# Altium PCB v0.1.PcbDoc
Units mil, origin at the board's own origin, x right, y up, seen from the top; angles counter-clockwise.
Board outline 664.86 x 767.72 mil, 4 copper layers (Top Layer, Gnd 1, Gnd 2, Bottom Layer), stack 23.756 mil thick; 31 components, 25 nets, 105 pads, 35 vias.
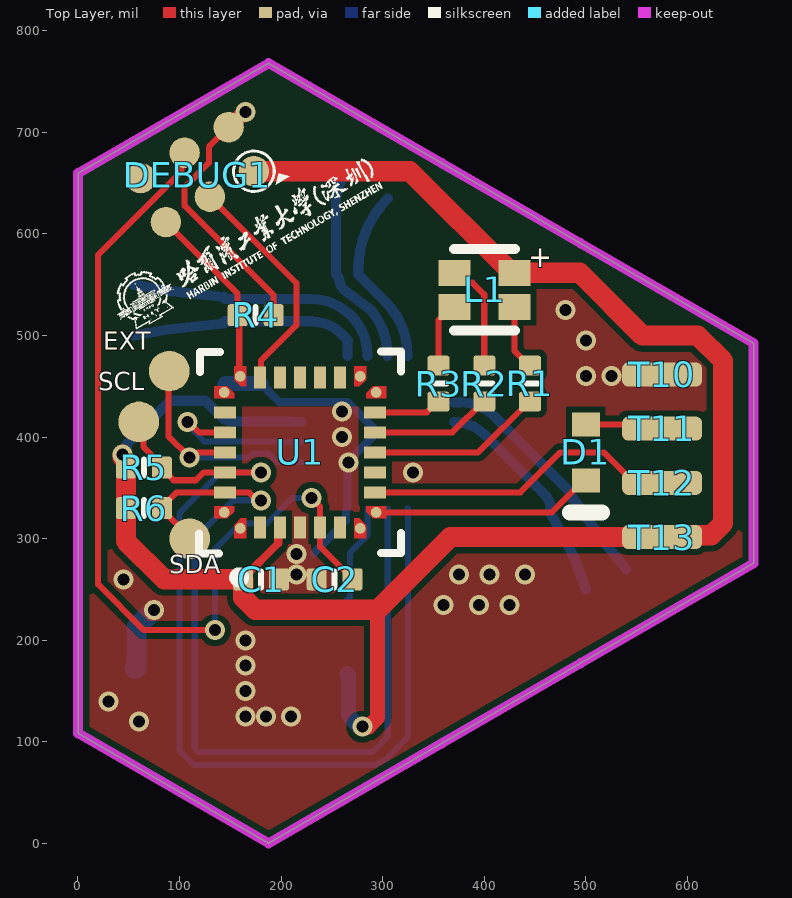
[diagram p0: Top Layer view]
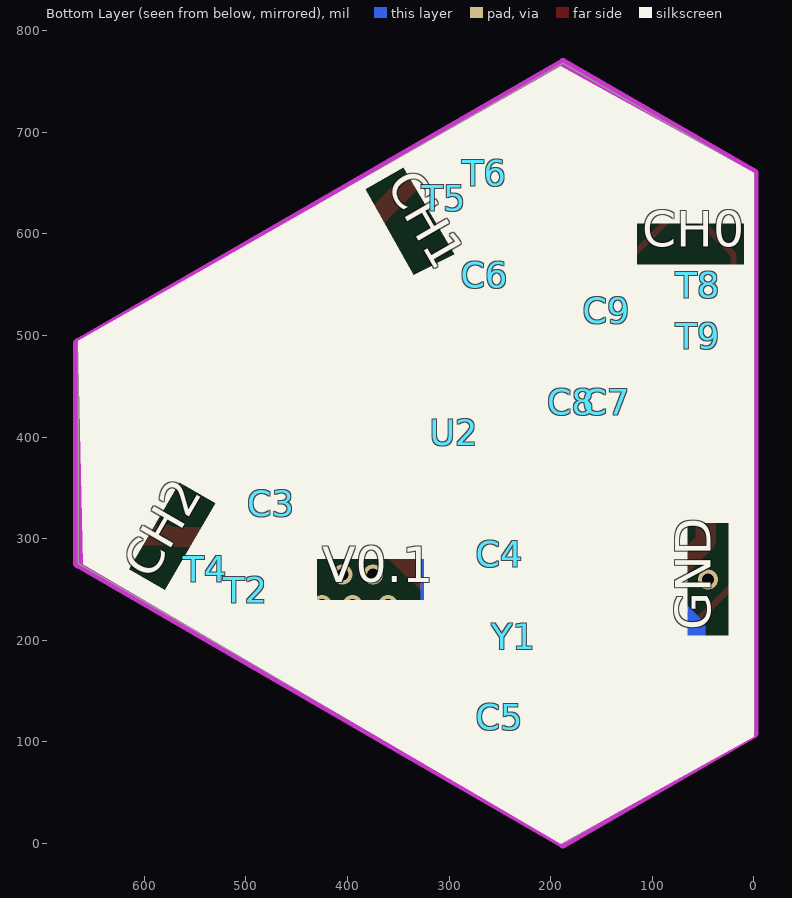
[diagram p1: Bottom Layer view, seen from below]
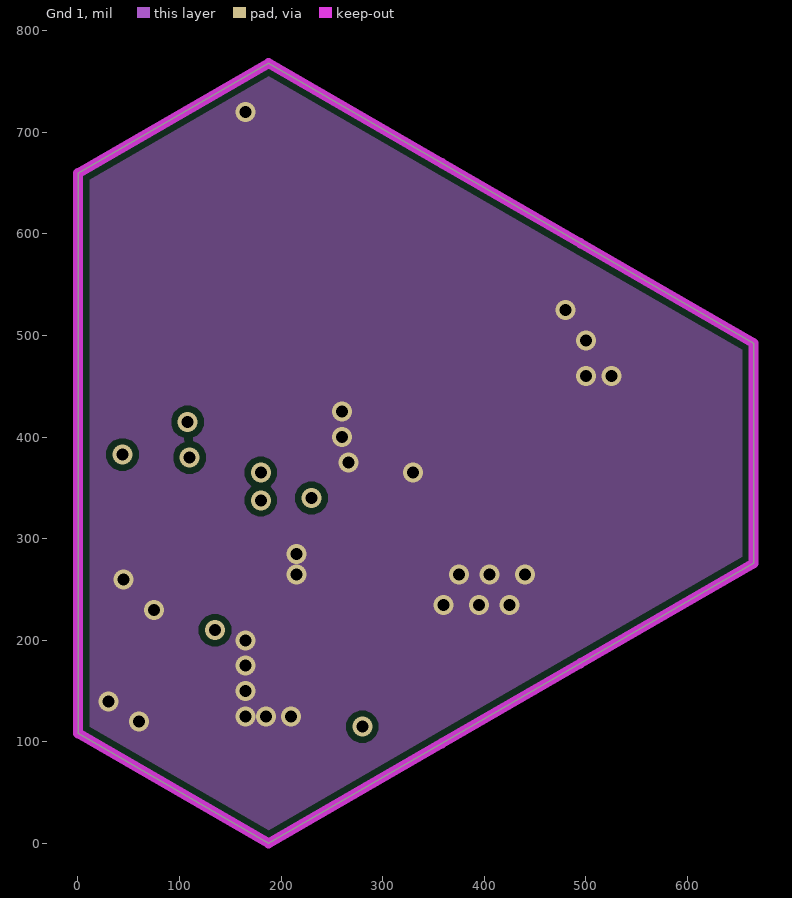
[diagram p2: Gnd 1]
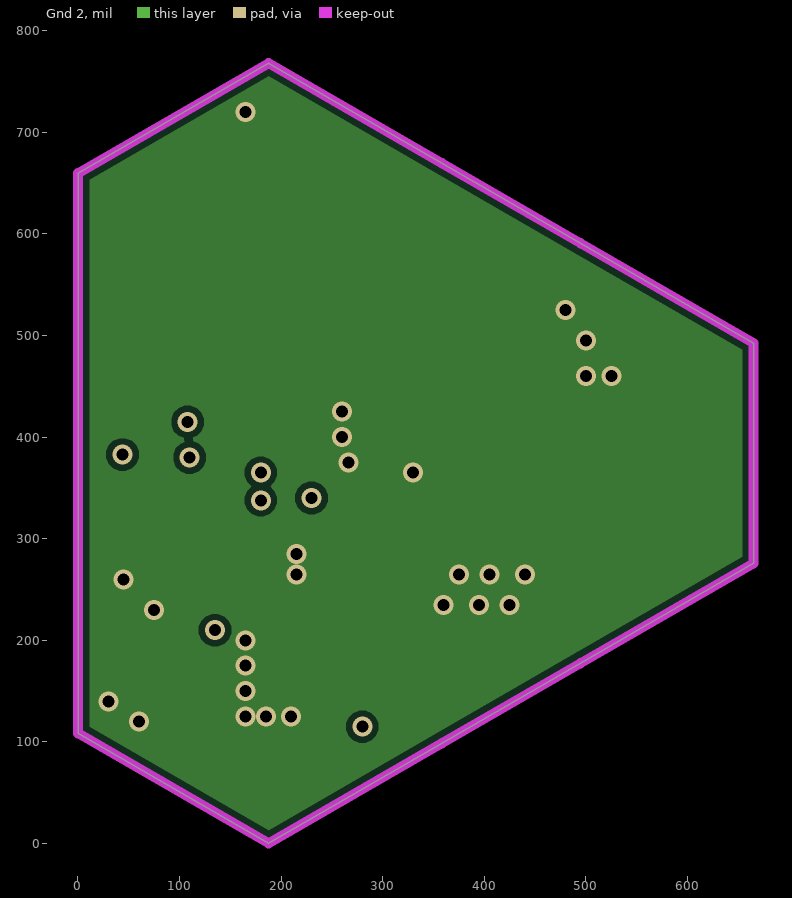
[diagram p3: Gnd 2]
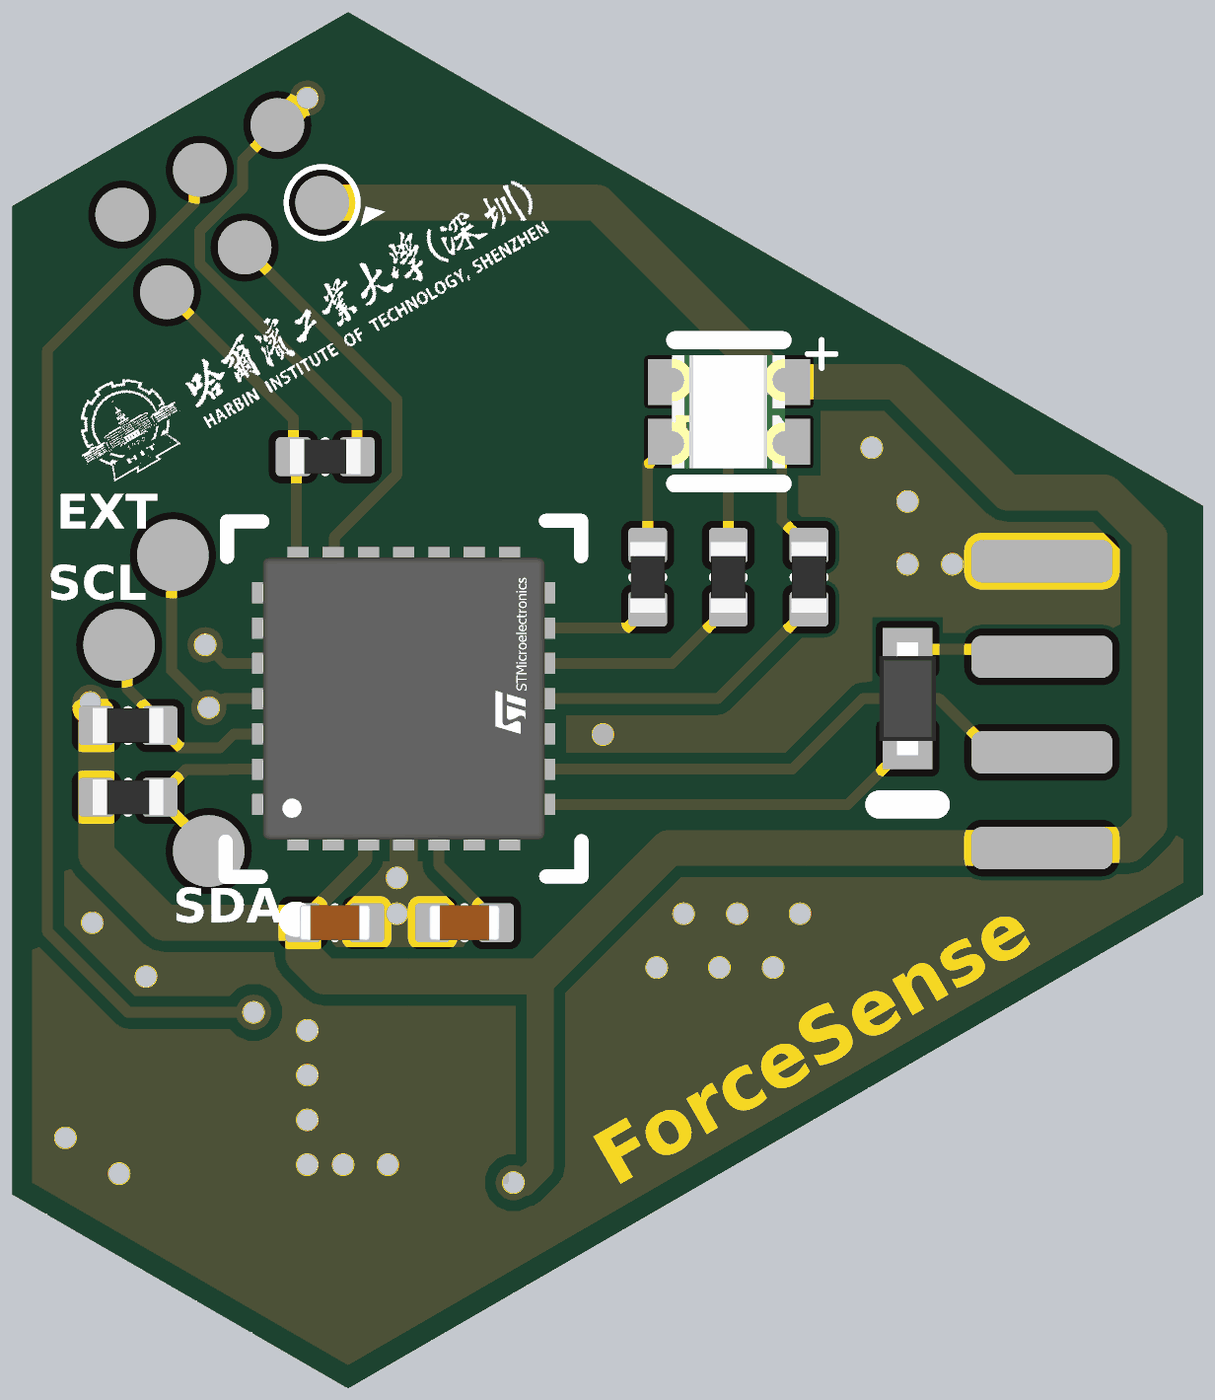
[diagram p4: 3D render of the assembled board from above, using the file's embedded part models]
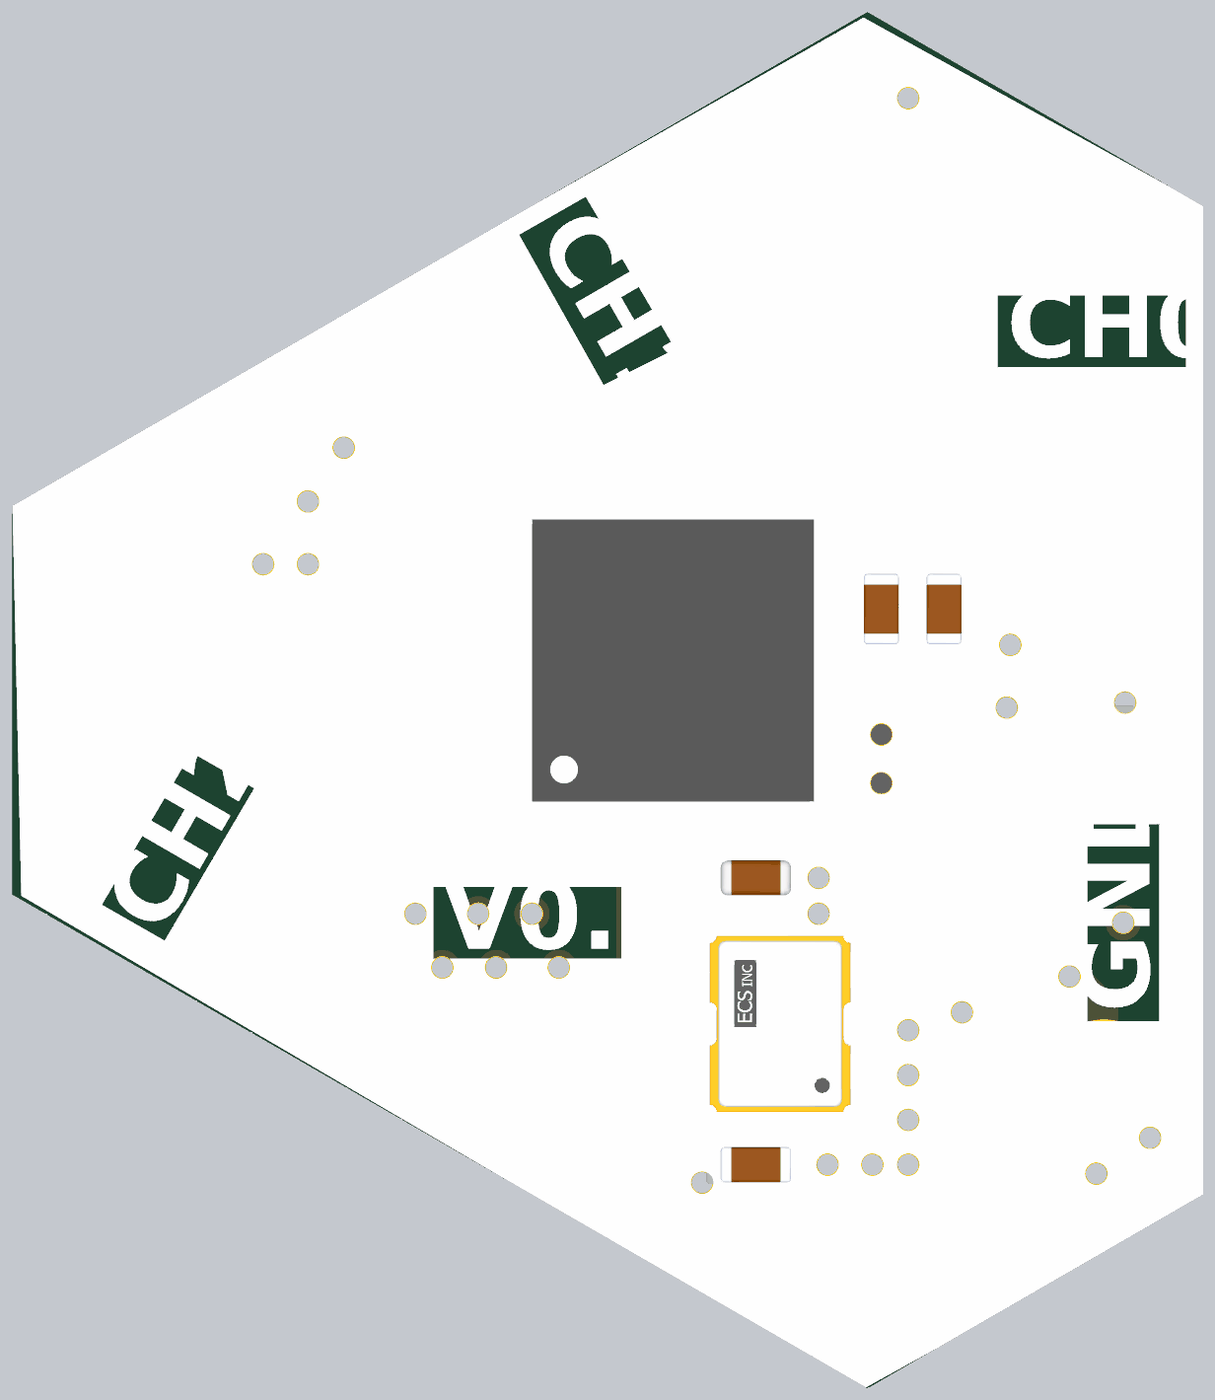
[diagram p5: 3D render of the assembled board from below, using the file's embedded part models]

## Layer stack, top to bottom
Top Solder: solder mask 0.4, Solder Resist, Dk 3.5
Top Layer: signal copper 1.4
Dielectric 2: prepreg 2.8, PP-006, Dk 4.1
Gnd 1: signal copper 1.378
Dielectric 1: dielectric 12.6, FR-4, Dk 4.8
Gnd 2: signal copper 1.378
Dielectric 3: prepreg 2.8, PP-006, Dk 4.1
Bottom Layer: signal copper 1.4
Bottom Solder: solder mask 0.4, Solder Resist, Dk 3.5

## Board outline
0.25,305.37 0.25,659.7 187.78,767.97 358.25,669.54 494.63,590.8 665.11,492.38 665.11,275.84 494.63,177.42 358.25,98.68 187.78,0.25 0.25,108.52

## Design rules (kind name [scope] priority, off if disabled: settings)
Clearance [All] p1: gap=6 ignorepadtopadclearanceinfootprint=FALSE
PlaneConnect [All] p1: planeconnectstyle=Direct reliefexpansion=20 reliefentries=4 reliefconductorwidth=10 reliefairgap=10
PolygonConnect [All] p1: connectstyle=Direct reliefconductorwidth=10 reliefentries=4 polygonreliefangle="90 Angle" airgapwidth=10
RoutingVias [All] p1: holewidth=11.81 width=19.68 viastyle="Through Hole" minholewidth=11.81 minwidth=19.68 maxholewidth=11.81 maxwidth=19.68
SolderMaskExpansion [All] p1: expansion=4 istentingtop=FALSE
SupplyNets "Schematic Supply Nets_1" [InNet('GND')] p1: voltage=0.000
SupplyNets "Schematic Supply Nets" [InNet('3V3')] p2: voltage=0.000
Width [All] p1: maxlimit=30 minlimit=4 preferedwidth=4
29 further rules are at their usual default settings.

## Components (designator, comment, footprint, x,y, rotation, side; value= is the part's Value field where it differs from the comment)
C1 "Capacitor 100nF +/-20% 10V 0402" CAPC0402(1005)60_L 180.43,260 r0 top value=100nF
C2 "Capacitor 100nF +/-20% 10V 0402" CAPC0402(1005)60_L 252.72,260 r0 top value=100nF
C3 "330pF" FP-C0201-AB-MFG 475,335 r30 bottom value="18 pF"
C4 "Capacitor 12pF +/-10% 50V 0402" CAPC0402(1005)33_L 250,285 r0 bottom value=12pF
C5 "Capacitor 100nF +/-20% 10V 0402" CAPC0402(1005)60_L 250,125 r0 bottom value=100nF
C6 "330pF" FP-C0201-AB-MFG 265,560 r180 bottom value="18 pF"
C7 "Capacitor 100nF +/-20% 10V 0402" CAPC0402(1005)60_L 145,435 r270 bottom value=100nF
C8 "Capacitor 100nF +/-20% 10V 0402" CAPC0402(1005)60_L 180,435 r270 bottom value=10nF
C9 "330pF" FP-C0201-AB-MFG 145,525 r270 bottom value="18 pF"
D1 "RB521S-30" DIOD-SOD523-2_V 500,385 r270 top
DEBUG1 "SWD" "DEBUG-2x3P-1.27mm Pitch" 173.3,661.7 r210 top
L1 "RGB-LED-1615" RGB-LED-1615-Footprint-1 400,545 r0 top
R1 "Resistor 100R +/-1 % 0402 63 mW" RESC0402(1005)_L 445,452.72 r270 top value=500R
R2 "Resistor 100R +/-1 % 0402 63 mW" RESC0402(1005)_L 400,452.72 r270 top value=500R
R3 "Resistor 100R +/-1 % 0402 63 mW" RESC0402(1005)_L 355,452.72 r270 top value=500R
R4 "Resistor 10K  +/-1 % 0402 63 mW" RESC0402(1005)_L 175,520 r180 top value=10k
R5 "Resistor 4K7  +/-1 % 0402 63 mW" RESC0402(1005)_L 65,370 r180 top value=4.7k
R6 "Resistor 4K7  +/-1 % 0402 63 mW" RESC0402(1005)_L 65,330 r180 top value=4.7k
T2 "TP" TESTPOINT-Rectangle-1.5x3 500,250 r210 bottom
T4 "TP" TESTPOINT-Rectangle-1.5x3 540,270 r210 bottom
T5 "TP" TESTPOINT-Rectangle-1.5x3 305,635 r150 bottom
T6 "TP" TESTPOINT-Rectangle-1.5x3 265,660 r150 bottom
T8 "TP" TESTPOINT-Rectangle-1.5x3 55,550 r270 bottom
T9 "TP" TESTPOINT-Rectangle-1.5x3 55,500 r270 bottom
T10 "TP" TESTPOINT-Rectangle-1.5x3 575,461.67 r90 top
T11 "TP" TESTPOINT-Rectangle-1.5x3 575,408.33 r90 top
T12 "TP" TESTPOINT-Rectangle-1.5x3 575,355 r90 top
T13 "TP" TESTPOINT-Rectangle-1.5x3 575,301.67 r90 top
U1 "STM32G031G8U6" FP-UFQFPN28-A0B0-MFG 218.82,385 r90 top
U2 "LDC1614RGHR" LDC1614RGHR-Footprint-1 295,405 r90 bottom
Y1 "OT252040MJBA4SL" FP-ECS-TXO-2520-MFG 236.46,203.58 r90 bottom

## Footprints (in the part's own frame and the unit in brackets; to place one, negate y for a bottom-side part, rotate by r counter-clockwise, add the part's x,y. Pads: shape width x height; smd on the part's side, far side on the other; paste and mask are expansions set on the pad)
CAPC0402(1005)33_L [mm] "Chip Capacitor, Body 1.0x0.5mm, Height 0.33mm, IPC High Density"
  rrect25% 0.5x0.55 smd: 1(-0.45,0) 2(0.45,0)
  silkscreen extent 0,-0.2 0,0.2, body extent -0.5,-0.25 0.5,0.25, height 0.55
CAPC0402(1005)60_L [mm] "Chip Capacitor, Body 1.0x0.5mm, Height 0.6mm, IPC High Density"
  rrect25% 0.5x0.55 smd: 1(-0.45,0) 2(0.45,0)
  silkscreen extent 0,-0.2 0,0.2, body extent -0.5,-0.25 0.5,0.25, height 0.6
"DEBUG-2x3P-1.27mm Pitch" [mil]
  round 30 smd: 1(0,0) 2(50,0) 3(100,0) 4(0,-50) 5(50,-50) 6(100,-50)
  silkscreen extent -28,-20 20,22
DIOD-SOD523-2_V [mm] "SOD523, 2-Leads, Body 1.2x0.8mm"
  rect 0.6x0.7 smd: 1(-0.7,0) 2(0.7,0)
  silkscreen extent 1.5,-0.4 1.5,0.4, body extent -0.8,-0.4 0.8,0.4, height 0.65
FP-C0201-AB-MFG [mm]
  rect 0.36x0.32 smd paste+0 mask+0: 1(-0.28,0) 2(0.28,0)
  silkscreen extent -0.3,-0.55 0.3,0.55
FP-ECS-TXO-2520-MFG [mm]
  rect 0.9x0.8 smd paste+0 mask+0: 1(-0.925,-0.725) 2(0.925,-0.725) 3(0.925,0.725) 4(-0.925,0.725)
  silkscreen extent -1.05,-1.8 0.1,1.05, body extent -1.25,-1 1.25,1, height 1
FP-UFQFPN28-A0B0-MFG [mm]
  round 0.27 smd paste+0 mask+0: 1(-1.9,1.5) 7(-1.9,-1.5) 8(-1.5,-1.9) 14(1.5,-1.9) 15(1.9,-1.5) 21(1.9,1.5) 22(1.5,1.9) 28(-1.5,1.9)
  rect 0.55x0.3 smd paste+0 mask+0: 2(-1.875,1) 3(-1.875,0.5) 4(-1.875,0) 5(-1.875,-0.5) 6(-1.875,-1) 16(1.875,-1) 17(1.875,-0.5) 18(1.875,0) 19(1.875,0.5) 20(1.875,1)
  rect 0.3x0.55 smd paste+0 mask+0: 9(-1,-1.875) 10(-0.5,-1.875) 11(0,-1.875) 12(0.5,-1.875) 13(1,-1.875) 23(1,1.875) 24(0.5,1.875) 25(0,1.875) 26(-0.5,1.875) 27(-1,1.875)
  Top Layer region: -1.35,1.65 -1.48,1.65 -1.65,1.82 -1.65,2.15 -1.35,2.15 -1.35,1.65
  Top Layer region: 1.35,1.65 1.48,1.65 1.65,1.82 1.65,2.15 1.35,2.15 1.35,1.65
  Top Layer region: 1.35,-1.65 1.48,-1.65 1.65,-1.82 1.65,-2.15 1.35,-2.15 1.35,-1.65
  Top Layer region: -1.35,-1.65 -1.48,-1.65 -1.65,-1.82 -1.65,-2.15 -1.35,-2.15 -1.35,-1.65
  Top Layer region: -1.65,1.35 -1.65,1.48 -1.82,1.65 -2.15,1.65 -2.15,1.35 -1.65,1.35
  Top Layer region: 1.65,1.35 1.65,1.48 1.82,1.65 2.15,1.65 2.15,1.35 1.65,1.35
  Top Layer region: 1.65,-1.35 1.65,-1.48 1.82,-1.65 2.15,-1.65 2.15,-1.35 1.65,-1.35
  Top Layer region: -1.65,-1.35 -1.65,-1.48 -1.82,-1.65 -2.15,-1.65 -2.15,-1.35 -1.65,-1.35
  silkscreen extent -3.25,-2.52 2.52,2.52, body extent -2.25,-2.25 2.25,2.25, height 0.25
LDC1614RGHR-Footprint-1 [mm]
  rect 0.665x0.28 smd paste+0 mask+0.051: 1(-1.908,0.75) 2(-1.908,0.25) 3(-1.908,-0.25) 4(-1.908,-0.75) 9(1.908,-0.75) 10(1.908,-0.25) 11(1.908,0.25) 12(1.908,0.75)
  rect 0.28x0.665 smd paste+0 mask+0.051: 5(-0.75,-1.908) 6(-0.25,-1.908) 7(0.25,-1.908) 8(0.75,-1.908) 13(0.75,1.908) 14(0.25,1.908) 15(-0.25,1.908) 16(-0.75,1.908)
  rect 2.45x2.45 smd paste+0 mask+0.051: 17(0,0)
  silkscreen extent -2.47,-2.08 2.08,2.08, body extent -1.97,-1.97 2.03,2.03, height 0.8
RESC0402(1005)_L [mm] "Chip Resistor, Body 1.0x0.5mm, IPC High Density"
  rrect25% 0.5x0.55 smd: 1(-0.45,0) 2(0.45,0)
  silkscreen extent 0,-0.2 0,0.2, body extent -0.5,-0.25 0.5,0.25, height 0.3
RGB-LED-1615-Footprint-1 [mm]
  rect 0.8x0.65 smd paste+0 mask+0.05: 1(0.757,-0.425) 2(0.757,0.425) 3(-0.743,0.425) 4(-0.743,-0.425)
  silkscreen extent -0.75,-1.02 0.77,1.02, body extent -0.8,-0.8 0.8,0.8, height 0.35
TESTPOINT-Rectangle-1.5x3 [mm]
  rrect50% 0.6x2 smd: 1(0,0)

## Part data
C1 C2 C5 C7 C8: library part CMP-001-00061-3, "Chip Capacitor, 100nF +/-20%, 10V, 0402, Thickness 0.6 mm", Case/Package=0402, Max Operating Temperature=85°C, Min Operating Temperature=-55°C, Tolerance=20%, Voltage Rating=10V, Mounting Technology=SMT, Pins=2
C3 C6 C9: library part CMP-03020-034506-1, "CAP CER 18PF 25V 5% NP0 0201", Capacitance="18 pF", Manufacturer=KEMET, Manufacturer Part Number=C0201C180J3GACTU, Package=C0201-AB, Temperature="-55°C to +125°C", Temperature Characteristic=C0G, Temperature Coefficient=30ppm/°C, Temperature Range High=+125°C, Temperature Range Low=-55°C, Tolerance=0.05, Voltage Rating="25 V", Automotive=No, Category=Cap, ComponentLink2Description=Datasheet, ComponentLink2URL=https://content.kemet.com/datasheets/KEM_C1003_C0G_SMD.pdf, Device Class L1="Passive Components", Device Class L2=Capacitors, Device Class L3="Ceramic Capacitors", Digikey Description="CAP CER 18PF 25V 5% NP0 0201", Height=0.33mm, Ipc Land Pattern Name=CAPC6030X30, Lead Free=Yes, Material=Ceramic, Mouser Description="Multilayer Ceramic Capacitors MLCC - SMD/SMT 25volts 18pF C0G 5%", Octopart=https://octopart.com/c0201c180j3gactu-kemet-17105352, RoHS=TRUE, Standoff Height=0mm
C4: library part CMP-001-00072-4, "Chip Capacitor, 12pF +/-10%, 50V, 0402, Thickness 0.33 mm", Case/Package=0402, Max Operating Temperature=85°C, Min Operating Temperature=-55°C, Tolerance=20%, Voltage Rating=50V, Mounting Technology=SMT, Pins=2
D1: library part CMP-2000-05518-2, "Surface Mount Fast Switching Diode, -65 to 150 degC, 2-Pin SOD523, RoHS, Tape and Reel", Forward Current=250mA, Manufacturer="Diodes Inc", Package Description="2-Pin Small Outline Diode, Body 1.2 x 0.8 mm", Package Reference=SOD523-2, Package Type=SOD-523, PartNumber=1N4148WT, Datasheet URL=http://www.diodes.com/_files/datasheets/ds30396.pdf, Datasheet Version="Rev. 16-2, 11/2015", Diode Configuration=Single, Manufacturer URL=http://www.diodes.com/, Mounting Technology=SurfaceMount, Mounting Type=SurfaceMount, Number of Elements per Chip=1, Package URL=http://www.diodes.com/_files/packages/SOD523.pdf, Pin Count=2
DEBUG1: library part DEBUG-PogoPin-2x6P, "弹簧探针烧录/调试触点"
L1: library part CMP-007-00036-2, "RGB LED"
R1 R2 R3: library part CMP-009-00167-3, "Chip Resistor, 100 Ohms, +/-1 %, 63 mW, -55 to 155 degC, 0402", Case/Package=0402, Max Operating Temperature=155°C, Min Operating Temperature=-55°C, Power=63mW, Tolerance=1%, Pins=2
R4: library part CMP-009-00149-3, "Chip Resistor, 10 kOhms, +/-1 %, 63 mW, -55 to 125 degC, 0402", Case/Package=0402, Max Operating Temperature=155°C, Min Operating Temperature=-55°C, Power=63mW, Tolerance=1%, Pins=2
R5 R6: library part CMP-009-00158-3, "Chip Resistor, 4,7 kOhms, +/-1 %, 63 mW, -55 to 155 degC, 0402", Case/Package=0402, Max Operating Temperature=155°C, Min Operating Temperature=-55°C, Power=63mW, Tolerance=1%, Pins=2
T2 T4 T5 T6 T8 T9 T10 T11 T12 T13: library part TestPoint, "TestPoint"
U1: library part CMP-031-00013-1, "MCU 32-Bit ARM Cortex-M0+ RISC 64KB Flash 1.7V to 3.6V 28-Pin UFQFPN Tray", Case/Package=UFQFPN, Max Operating Temperature=85°C, Min Operating Temperature=-40°C, Mounting Technology="Surface Mount", Pins=28
U2: library part CMP-031-00006-3, "4-Ch, 28-bit, high-resolution Inductance to digital converter 16-WQFN -40 to 125", Max Operating Temperature=125°C, Min Operating Temperature=-40°C, Mounting Technology="Surface Mount", Pins=16, RoHS Compliant=Yes
Y1: library part CMP-40224-000034-1, "XTAL OSC TCXO 25.0000MHZ HCMOS", RoHS Compliant=Yes

## Free pads (board coordinates)
  round 60 smd far side: 1(55.74,171.99)
  round 40 smd: 1(60,415) 1(90,465) 1(110,300)

## Via types
v1: diameter 19.68, hole 11.81, Top Layer to Bottom Layer, tented both sides, 35 vias

## Nets (pads, with @x,y where several pads share a name; then routed paths per layer and width w, separated by ;. In a path a pad name is that pad's centre, name@x,y a point inside that pad or via, vN(x,y) a via of type N, cw(c..) or ccw(c..) an arc to the next point about the centre after c; other vN are vias at no path point)
3V3: C1.1 C5.2 C7.2 C8.2 DEBUG1.1 L1.2 R5.2 R6.2 T13.1 U1.3 U2.7 Y1.4 | length 1908
  Top Layer w8: C1.1 162.72,260.98 197.23,295.5 197.23,309.28 U1.3
  Top Layer w15: v1(280,115) 286.21,115 295,123.79 295,230
  Top Layer w20: v1(43.9,382.8) 43.9,380.19 45.09,379 47.28,376.8 47.28,297.72 85,260 C1.1 162.72,241.72 174.43,230 295,230 366.67,301.67 T13.1 576.81,303.48 623.28,303.48 635,315.19 635,475 610.13,499.87 609.91,500 555.74,500 494.01,561.73 L1.2 426.86,561.73 326.89,661.7 DEBUG1.1
  Bottom Layer w10: v1(43.9,382.8) 43.9,385.42 48.42,389.94 48.42,393.42 90.84,435.84 125.46,435.84 144.02,417.28 C7.2 150.83,415.35 211.81,415.35 U2.7
  Bottom Layer w15: Y1.4 266.36,165.81 266.36,126.36 C5.2 267.72,124.02 275.84,115.9 279.1,115.9 v1(280,115)
CH0-A: C9.2 T9.1 U2.9 | length 233.1
  Bottom Layer w10: T9.1 88.46,505.91 143.7,511.89 C9.2 230,513.98 cw(c230,472.62) 254.27,506.11 cw(c230,472.62) 259.24,501.86 266.03,495.08 ; 265,494.05 cw(c253.68,490.75) 265.47,490.75 U2.9
CH0-B: C9.1 T8.1 U2.10 | length 264
  Bottom Layer w10: T8.1 88.46,544.09 143.7,538.11 C9.1 229.24,536.02 cw(c229.24,480.1) 257.57,528.32 cw(c252.48,519.71) 258.58,527.63 267.42,520.88 cw(c261.37,512.91) 268.28,520.13 cw(c229.24,480.1) 284.65,487.65 U2.10
CH1-A: C6.2 T6.1 U2.11 | length 202.5
  Bottom Layer w10: T6.1 ccw(c291.61,633.39) 253.98,633.39 C6.2 256.06,558.7 258.36,550.67 ccw(c268.94,553.7) 262.26,544.96 287.98,525.29 cw(c281.9,517.35) 289.75,523.55 cw(c234.74,480.1) 304.37,488.19 U2.11
CH1-B: C6.1 T5.1 U2.12 | length 179.5
  Bottom Layer w10: T5.1 ccw(c374.96,565.04) 276.02,565.04 C6.1 302.33,533.69 cw(c248.74,480.1) U2.12
CH2-A: C3.2 T4.1 U2.13 | length 244.5
  Bottom Layer w10: U2.13@370.15,434.08 cw(c375.79,385.56) 410.32,420.12 480.75,349.69 cw(c471.56,340.51) 484.47,341.96 C3.2 487,340.43 518.15,296.03 T4.1
CH2-B: C3.1 T2.1 U2.14 | length 219
  Bottom Layer w10: U2.14 cw(c370.1,371.61) 400.64,402.21 459.86,342.99 cw(c446.36,329.49) C3.1@465.4,330.96 ; C3.1 464.3,327.32 488.38,281.93 T2.1
EXTI_INTB/PB5: pad.1@90,465 U1.25 U2.5 | length 246
  Top Layer w6: pad.1@90,465 89.18,464.18 89.18,400.82 v1(110,380) 113.7,380 118.7,385 U1.25
  Bottom Layer w6: v1(110,380) 168.35,380 172.2,383.84 187.8,383.84 196.18,375.47 U2.5
GND: C1.2 C2.1 C4.1 C5.1 C7.1 C8.1 DEBUG1.4 pad.1@55.74,171.99 R4.1 T10.1 U1.4 U2.4 U2.8 U2.17 Y1.2 | length 636.7
  Top Layer w6: DEBUG1.4 129,685.7 129,670.06 105,646.06 105,627.54 192.72,539.83 R4.1
  Top Layer w15: DEBUG1.4 149.15,705 164.15,720 v1(165,720)
  Bottom Layer w8: C8.1@186.83,446.87 186.83,445.89 198.19,434.53 U2.8 265.47,434.53 U2.17 265.47,375.47 U2.4 263.96,328.39 263.96,317.66 252.13,305.83 232.28,285.98 C4.1 ; U2.17@265.81,375.81 v1(266.47,375.16)
  Bottom Layer w15: C7.1 C8.1
  Bottom Layer w20: pad.1@55.74,171.99 57.65,172.65 57.65,212.65 v1(75,230)
  other v1: 60,120 165,125 185,125 210,125 30,140 165,150 165,175 165,200 360,235 395,235 425,235 45,260 215,265 375,265 405,265 440,265 215,285 330,365 260,400 260,425 500,460 525,460 500,495 480,525
LDC_SCL/PB6: pad.1@60,415 R5.1 U1.26 U2.1 | length 957.3
  Top Layer w6: pad.1@60,415 64.51,410.49 64.51,390.49 75.87,379.13 75.87,376.84 R5.1 82.72,369.02 94.2,357.53 116.21,357.53 123.99,365.31 U1.26 145.16,365.16 179.84,365.16 v1(180,365)
  Bottom Layer w6: v1(180,365) 140,365 100,325 100,91.54 114.06,77.49 293.55,77.49 302.86,82.86 325,105 325,329.43 U2.1
LDC_SD/PB4: U1.24 U2.6 | length 163.1
  Top Layer w6: v1(108.02,415) 108.7,415 119.02,404.69 U1.24
  Bottom Layer w6: v1(108.02,415) 108.02,411.98 124.16,395.84 219.22,395.84 U2.6
LDC_SDA/PB7: pad.1@110,300 R6.1 U1.27 U2.2 | length 858.7
  Top Layer w6: pad.1@110,300 110,301.73 82.72,329.02 R6.1 82.72,330.98 97.26,345.53 121.18,345.53 121.28,345.63 U1.27 145.31,345.31 168.83,345.31 176.3,337.85 v1(180,337.85)
  Bottom Layer w6: v1(180,337.85) 152.85,337.85 115,300 115,93.51 118.51,90 290,90 305,105 305,329.74 U2.2
LED_B: R2.2 U1.12 | length 119.9
  Top Layer w6: U1.12 368.7,404.69 399.02,435 R2.2
LED_G: R3.2 U1.13 | length 66.8
  Top Layer w6: U1.13 343.39,424.37 354.02,435 R3.2
LED_R: R1.2 U1.11 | length 173.1
  Top Layer w6: U1.11 394.02,385 444.02,435 R1.2
LPUART_RX/PA3: T12.1 U1.9 | length 311.1
  Top Layer w6: U1.9 435.63,345.63 475,385 517.44,385 547.44,355 T12.1
LPUART_TX/PA2: D1.1 T11.1 | length 86.8
  Top Layer w6: D1.1 T11.1@580.77,412.56 ; T11.1@570.77,412.56 T11.1
NetC4_2: C4.2 U2.3 Y1.3 | length 98.3
  Bottom Layer w6: Y1.3 267.72,242.72 C4.2 267.72,285.98 285.16,303.43 U2.3
NetD1_2: D1.2 U1.8 | length 219.4
  Top Layer w6: U1.8 466.54,325.94 498.03,357.44 D1.2
NetL1_1: L1.1 R1.1 | length 64.7
  Top Layer w6: L1.1 429.81,484.64 444.02,470.43 R1.1
NetL1_3: L1.3 R2.1 | length 108
  Top Layer w6: L1.3 380.54,551.93 388.35,551.93 400,540.29 R2.1
NetL1_4: L1.4 R3.1 | length 66.1
  Top Layer w6: R3.1 355,515.47 367.8,528.27 L1.4
RST: C2.2 DEBUG1.5 U1.5 | length 886.9
  Top Layer w6: DEBUG1.5 101.85,676.85 101.85,661.21 20,579.36 20,255 65,210 v1(135,210) ; v1(230,340) 238.5,331.5 U1.5 238.5,291.93 262.61,267.83 263.59,267.83 270.43,260.98 C2.2
  Bottom Layer w6: v1(135,210) 135,290 160,315 185.65,315 210.65,340 v1(230,340)
SWCLK: DEBUG1.3 R4.2 U1.21 | length 182.2
  Top Layer w6: DEBUG1.3 157.28,541.11 R4.2 158.88,518.41 158.88,460.69 U1.21
SWDIO: DEBUG1.2 U1.20 | length 227.8
  Top Layer w6: DEBUG1.2 215,551.7 215,510 180.13,475.13 180.13,459.5 U1.20
pads on no net: DEBUG1.6 U1.1 U1.2 U1.6 U1.7 U1.10 U1.14 U1.15 U1.16 U1.17 U1.18 U1.19 U1.22 U1.23 U1.28 U2.15 U2.16 Y1.1

## Polygon pours and split planes (outlines as drawn)
GND on Bottom Layer "GND_L04_P000" (solid, remove dead copper, pour order 0): 242.2,295.91 ccw(c238.11,295.91) 238.11,300 160,300 ccw(c160,295) 155,295 155,115 ccw(c160,115) 160,110 245,110 ccw(c245,115) 250,115 250,140 249.8,140 ccw(c245.27,140.45) 245.24,145 195,145 cw(c195,150) 190,150 190,210 cw(c195,210) 195,215 235,215 ccw(c235,220) 240,220 240,293.7 cw(c242.2,293.7)
GND on Top Layer "GND_L01_P001" (solid, remove dead copper, pour order 1): 0,0 0,800 395,800 695,500 695,0
GND on Top Layer "GND_L01_P004" (solid, pour order 4): 615,445 485,445 485,480 480,490 465,510 465,540 490,540 520,510 520,490 535,475 615,475
GND on Top Layer "GND_L01_P002" (solid, pour order 2): 210,325 230,325 230,275 245,275 245,245 185,245 185,270 205,275 205,295 210,300
GND on Gnd 2 "r" (solid, remove dead copper, pour order 3): 0,0 0,800 395,800 695,500 695,0
GND on Gnd 1 "GND_L02_P005" (solid, remove dead copper, pour order 5): 0,0 0,800 395,800 695,500 695,0
no net on Bottom Overlay "NONET_L-01_P-001" (solid): 0,105 190,0 660,275 665,495 190,765 0,660

## Keep-outs
Keep-Out Layer:
  lines w10: 0.25,108.52 0.25,305.37 0.25,462.85 0.25,659.7 187.78,767.97 358.25,669.54 494.63,590.8 665.11,492.38 665.11,275.84 494.63,177.42 358.25,98.68 187.78,0.25 0.25,108.52

## Other copper
Top Layer:
  pour cut-out: 76.83,775 385,775 385,420.98 383.86,419.84 373.7,430 70.19,430

## Silkscreen, mask and mechanical layers (free items; w line width, h text height)
Top Overlay:
  drawing of 231 lines, arcs and shapes, not listed
  text "EXT" at 25,480 h30
  text "SCL" at 20,440.25 h30
  text "SDA" at 90,260.25 h30
Bottom Overlay:
  pour cut-out: 430,280 430,240 325,240 325,280
  pour cut-out: 382.13,643.78 345,665 295,580 335,560
  pour cut-out: 115,610 115,570 10,570 10,610
  pour cut-out: 25,205 65,205 65,315 25,315
  pour cut-out: 615,270 565,355 530,335 580,250
  text "CH1" at 372.74,643.42 h60 r60
  text "CH0" at 110,575.5 h60
  text "CH2" at 582.26,252.08 h60 r300
  text "V0.1" at 425,245.5 h60
  text "GND" at 30.5,210 h60 r270
Top Solder:
  text "ForceSense" at 336.54,112.33 h60 r30
Mechanical 1:
  lines w5: 0.25,462.85 118.36,462.85 118.36,305.37 0.25,305.37 0.25,108.52 ; 358.25,669.54 299.2,567.25 435.58,488.51 494.63,590.8 665.11,492.38 ; 494.63,177.42 435.58,279.7 299.2,200.96 358.25,98.68 ; 0.25,108.52 187.78,0.25 358.25,98.68 ; 0.25,108.52 0.25,659.7 187.78,767.97 665.11,492.38 ; 358.25,98.68 665.11,275.84 665.11,492.38

## Text inside footprints (layer, text, board x,y; h text height)
L1: Top Overlay "+" at 466.85,585.28 h20.59 r180